# Allegro board Try it by yourself - iMX6Rex module - DIFF Pair activities.brd (continued)
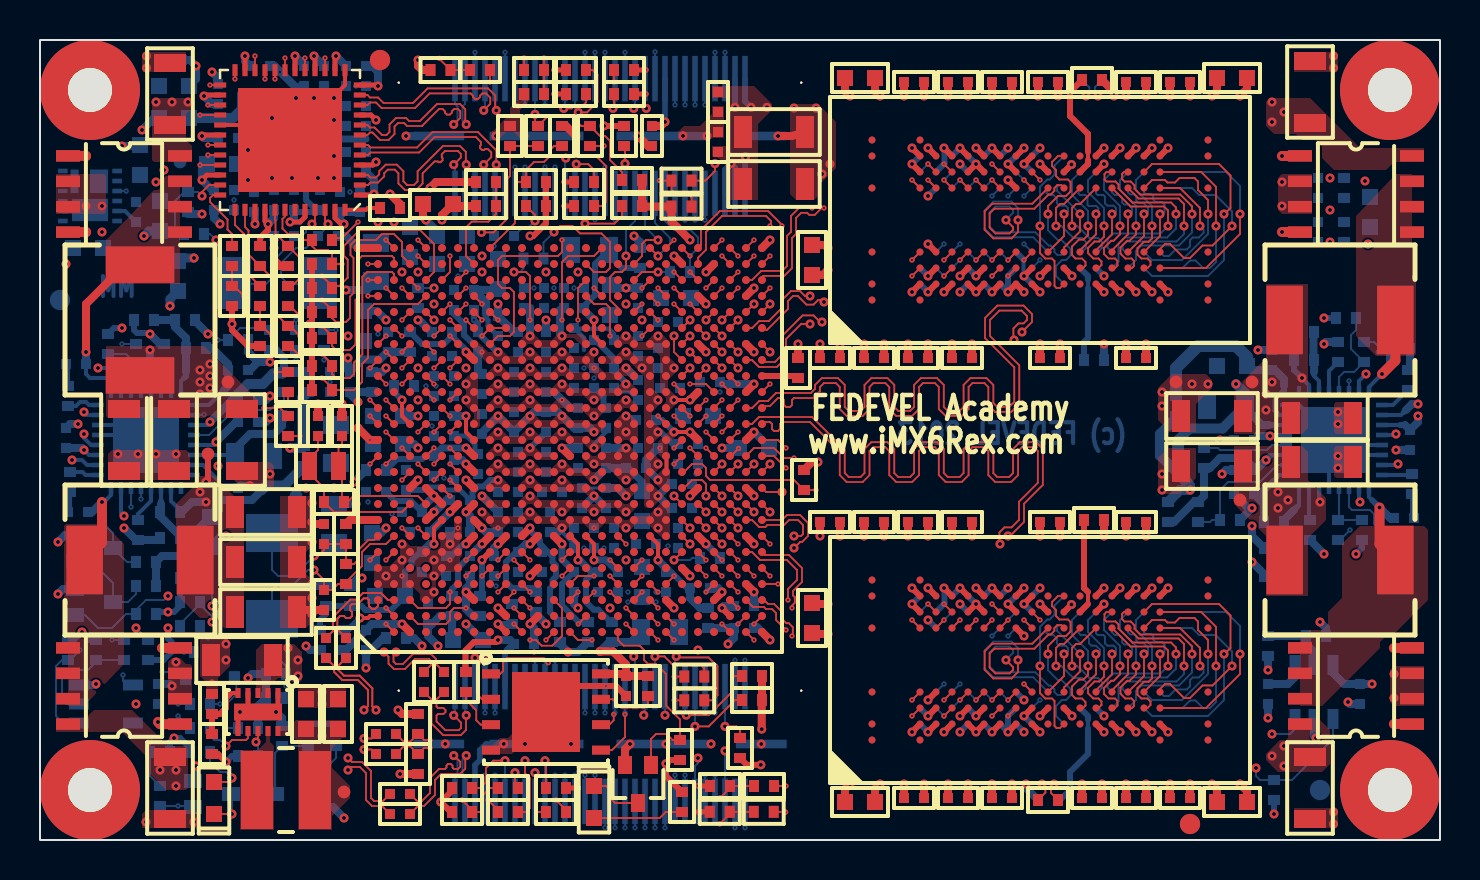
[diagram p0: board, top side]
## Routing (per net, layer and track width the routed paths; a pad name or vN(x,y) marks a point on that pad's centre or on a via; arc(x,y) is an arc through that point) (continued)
  L10 w0.08: v5(25.95,3.64) 26.68,4.37 v4(27.05,4.37)
  L11 w0.1: v6(25.75,3.24) 25.75,3.44 v5(25.95,3.64)
  BOTTOM w0.093: J2.39 v6(25.75,3.24)
PHASE1_2V5: length 6.7
  TOP w0.5: v1(67.1,23.3) 67.77,23.97 L4.2
  BOTTOM w0.2: v1(67.1,23.3) 66.45,22.65 U13.16 ; C230.1 67.4,24.5 67.4,23.6
  BOTTOM w0.4: v1(67.1,23.3) 67.4,23.6 67.5,23.7 C230.1
PHASE1_3V3: length 5.1
  TOP w0.5: v1(3.1,16.9) 3.1,14.87 L1.2
  BOTTOM w0.2: v1(3.1,16.9) 3.2,16.9 3.55,17.25 U11.16
  BOTTOM w0.4: C211.1 2.6,16.4 v1(3.1,16.9)
PHASE2_1V5: length 5.1
  TOP w0.5: L5.1 66.97,14.79 v1(66.97,16.63)
  BOTTOM w0.2: 66.6,17 66.45,17.15 U13.25
  BOTTOM w0.3: 66.6,17 v1(66.97,16.63)
  BOTTOM w0.4: v1(66.97,16.63) 67.5,16.1 C231.2
PHASE2_1V375: length 8.9
  TOP w0.4: L2.1 4.27,28.77 2.3,26.8 v1(2.3,24.4)
  BOTTOM w0.2: C212.2 2.3,23.3 2.5,23.1 3.3,23.1 3.55,22.85 U11.25
  BOTTOM w0.4: C212.2 v1(2.3,24.4)
PMIC_ON_REQ: length 23.7
  TOP w0.093: v2(18.9,18.8) U1.D11
  L2 w0.1: v2(18.9,18.8) v3(19.2,19.1)
  L3 w0.08: v1(6.4,12.2) 6.4,13.6 8.13,15.33 8.45,15.33 9.52,16.4 11.67,16.4 12.5,17.23 12.5,17.7 13.37,18.58 16.02,18.58 16.3,18.3 17.37,18.3 18.07,19 19.1,19 v3(19.2,19.1)
  BOTTOM w0.093: v1(6.4,12.2) 6.2,12 5.3,12 4.8,11.5 R73.1 4.3,11.3 3.6,10.6 2.9,10.6 2.25,11.25 Q8.1
PMIC_STBY_REQ: length 10.2
  TOP w0.093: v2(20.5,18.8) U1.F11
  L2 w0.1: v2(20.5,18.8) v3(20.8,19.1)
  L3 w0.08: v1(13.3,17.6) 13.7,18 15.07,18 15.57,17.5 17.4,17.5 18.12,18.22 18.12,18.32 18.6,18.8 v2(20.5,18.8) v3(20.8,19.1)
  BOTTOM w0.093: v1(13.3,17.6) 13.2,17.6 TP3.1
POK_1V5: length 9
  L10 w0.08: v5(65.2,15.8) 65.45,16.05 v5(65.45,22.55)
  L11 w0.1: v5(65.2,15.8) v6(65.5,15.5) ; v5(65.45,22.55) v6(65.45,22.95)
  BOTTOM w0.093: R164.1 65,15 v6(65.5,15.5) ; U13.14 v6(65.45,22.95)
POK_1V5_R: length 2.8
  BOTTOM w0.093: R154.1 R164.2 64.95,16.05 U13.28
POK_1V375: length 103.2
  L3 w0.08: v4(65.9,31.4) 65.87,31.43 65.87,33.93 62.15,37.65 52.4,37.65 51.7,38.35 38.85,38.35 38.5,38.7 37.25,38.7 35.65,37.1 34,37.1 33.67,37.43 31.12,37.43 30.79,37.1 30.02,37.1 29.82,37.3 29.2,37.3 28.85,36.96 26.01,36.96 25.71,36.65 24.59,36.65 23.64,35.71 21.95,35.71 21.65,35.41 20.37,35.41 20.18,35.6 18.1,35.6 17.92,35.43 16.56,35.43 16.34,35.65 15.16,35.65 14.94,35.43 14.12,35.43 v4(13.8,35.1)
  L10 w0.08: v5(66.6,15.9) 66.6,22.3 65.9,23 65.9,23.6 66.2,23.9 66.2,27.7 66.8,28.3 66.8,30.5 v4(65.9,31.4) ; v4(13.8,35.1) 14.12,35.43 14.12,37.25 13.65,37.73 9.92,37.73 9.2,37 8.9,37 7.74,35.84 7.4,35.84 4.9,33.34 4.9,32.1 4,31.2 4,30 3.3,29.3 3.3,25.87 4.07,25.1 v5(4.4,25.1)
  L11 w0.1: v6(4.1,24.8) v5(4.4,25.1) ; v5(66.6,15.9) v6(66.9,15.6)
  BOTTOM w0.093: U13.27 65.45,16.65 65.6,16.5 66.5,16.5 66.7,16.3 66.7,15.8 v6(66.9,15.6) ; v6(4.1,24.8) R108.1
POK_1V375_R: length 3.1
  BOTTOM w0.093: U11.28 5.05,23.1 4.8,23.35 R108.2 4.3,24.3 R130.1
POK_2V5: length 100.4
  L3 w0.08: v4(12.8,36.1) 13.27,35.63 14.86,35.63 15.13,35.9 16.37,35.9 16.64,35.63 17.84,35.63 18.01,35.8 20.18,35.8 20.53,36.16 21.65,36.16 21.9,35.91 23.5,35.91 24.47,36.88 25.64,36.88 25.92,37.16 28.7,37.16 29.04,37.5 29.9,37.5 30.09,37.32 30.72,37.32 31.15,37.75 33.85,37.75 34.14,37.46 35.61,37.46 37.05,38.9 38.7,38.9 39,38.6 51.9,38.6 52.5,38 62.3,38 66.7,33.6 66.7,32.3 v4(66.4,32)
  L10 w0.08: v5(66.6,24.7) 66.6,27.4 67.4,28.2 67.4,31 v4(66.4,32) ; v4(12.8,36.1) 13.3,36.6 13.3,37.13 12.96,37.48 10.07,37.48 9.3,36.7 9,36.7 7.87,35.57 7.47,35.57 5.2,33.31 5.2,32 4.3,31.1 4.3,29.9 3.6,29.2 3.6,26.3 3.92,25.98 4.26,25.98 4.7,25.53 4.7,23.9 5,23.6 5,22.2 4.3,21.5 4.3,20.1 4.53,19.87 4.53,17.08 v5(4.55,17.05)
  L11 w0.1: v5(66.6,24.7) v6(66.9,24.4) ; v6(4.55,16.65) v5(4.55,17.05)
  BOTTOM w0.093: v6(66.9,24.4) 66.9,24.7 66.7,24.9 R163.1 ; v6(4.55,16.65) U11.14
POK_2V5_R: length 4.9
  BOTTOM w0.093: U13.13 64.95,23.15 65.2,23.4 65.7,23.4 R163.2 65.55,24.55 65.55,25.25 65.8,25.5 R153.1
POK_3V0_SNVS: length 3
  TOP w0.093: v1(9.3,4.7) 9.6,5 10.3,5 10.4,5.1 U12.7
  BOTTOM w0.093: v1(9.3,4.7) 9,5 8.7,5 8.5,5.2 R93.1
POK_3V3: length 107.7
  L3 w0.08: v4(6.8,1.7) 8.3,3.2 8.3,6.2 8.8,6.7 9.68,6.7 10.38,7.4 11.33,7.4 12.17,6.56 12.17,6.34 12.85,5.67 13.37,5.67 13.88,6.17 14.32,6.17 15.02,5.48 16.33,5.48 16.63,5.17 16.63,5 17.89,3.75 19.13,3.75 19.8,4.42 19.8,5 20,5.2 20.5,5.2 20.95,4.75 21.74,4.75 22.9,3.59 23.41,3.59 23.56,3.74 23.94,3.74 24.09,3.59 24.44,3.59 24.59,3.74 24.94,3.74 25.09,3.59 25.41,3.59 25.61,3.79 25.61,3.79 26.7,3.79 26.8,3.69 30.89,3.69 31.14,3.44 32.5,3.44 32.76,3.18 34.4,3.18 34.5,3.08 37.32,3.08 38.22,2.18 53.01,2.18 54.01,3.17 61.07,3.17 61.4,3.5 61.4,3.87 61.22,4.04 61.22,4.93 v1(61.6,5.3)
  L10 w0.08: v5(7.3,1.7) v4(6.8,1.7) 6.3,1.7 5.4,2.6 5.4,4.2 4.8,4.8 4.8,5.6 4.42,5.98 4.42,7.93 v5(4.45,7.95) 3.9,8.5 3.9,10.6 3.5,11 3.5,11.6 2.4,12.7 2.4,18.2 2.9,18.7 2.9,22.39 3.68,23.17 3.68,24 2.4,25.28 2.4,29.88 2.72,30.2 2.72,32.03 3.15,32.45 v5(3.91,32.45)
  L11 w0.1: v6(6.9,1.7) v5(7.3,1.7) ; v5(3.91,32.45) v6(4.31,32.45) ; v6(4.15,8.25) v5(4.45,7.95)
  BOTTOM w0.093: R107.1 v6(6.9,1.7) 7.65,1.7 ; Q1.1 7.65,1.7 ; 7.65,1.7 7.7,1.7 7.75,1.65 ; v6(4.15,8.25) 4.15,7.95 4.3,7.8 U7.4 ; v1(61.6,5.3) 62.5,5.3 62.75,5.55 U6.3 ; U9.9 v6(4.31,32.45)
POK_3V3_R: length 19.3
  L10 w0.08: v5(5.5,4.6) 6.8,5.9 6.8,6.9 6.4,7.3 6,7.3 5.3,8 5.3,8.4 4.7,9 4.7,9.97 5.17,10.44 5.17,11.33 4.7,11.8 4.7,12.8 4.2,13.3 4.2,15 5.05,15.85 v5(5.05,17.45)
  L11 w0.1: v5(5.5,4.6) v6(5.5,5) ; v6(5.05,17.05) v5(5.05,17.45)
  BOTTOM w0.093: R107.2 5.5,3.2 R129.1 v6(5.5,5) ; v6(5.05,17.05) U11.13
POR_BN: length 88.5
  TOP w0.093: v2(18.1,18) U1.C11
  L2 w0.1: v3(17.8,18.3) v2(18.1,18)
  L3 w0.08: v3(17.8,18.3) 17.5,18 16.17,18 15.9,18.28 13.44,18.28 12.75,17.58 12.75,17.1 11.75,16.1 9.6,16.1 8.58,15.08 8.27,15.08 7.02,13.84 7.02,11.2 7.6,10.63 7.6,7.7 8.2,7.1 v4(9.1,7.1) 9.7,7.1 10.3,7.7 11.41,7.7 12.47,6.64 12.47,6.38 12.95,5.9 13.32,5.9 13.79,6.38 14.52,6.38 15.22,5.68 16.41,5.68 16.83,5.26 16.83,5.18 17.96,4.05 19.05,4.05 19.5,4.5 19.5,5.08 19.82,5.4 20.68,5.4 21.08,5 21.88,5 22.5,4.38 26.32,4.38 26.7,3.99 30.89,3.99 31.09,4.19 31.46,4.19 31.85,3.8 32.5,3.8 32.92,3.38 37.4,3.38 38.36,2.43 51.19,2.43 52.37,3.6 v1(60.8,3.6)
  L10 w0.08: v4(9.1,7.1) v5(9.4,6.8)
  L11 w0.1: v6(9,6.8) v5(9.4,6.8)
  BOTTOM w0.093: U6.1 64.65,5.05 62.6,3 R60.1 61,3 60.8,3.2 v1(60.8,3.6) ; D1.1 9.82,8.1 9.82,7.29 9.32,6.8 v6(9,6.8) R70.1
REFIN2_1V5: length 4.7
  BOTTOM w0.2: U13.32 62.95,16.75 62.87,16.68
  BOTTOM w0.3: 62.7,16.5 62.87,16.68
  BOTTOM w0.4: 62.7,16.5 62.2,16 R135.1 R134.1 R158.2
REFIN2_1V375: length 5
  BOTTOM w0.2: U11.32 7.05,22.95 7.2,23.1
  BOTTOM w0.3: 7.3,23.4 7.3,23.2 7.2,23.1
  BOTTOM w0.4: R136.2 R119.1 6.75,25.65 7.3,25.1 R120.2 7.3,23.4
RGMII_INT: length 35
  TOP w0.093: v2(13,25.2) 12.5,25.7 R88.2 11.7,26.4 11.7,28 R89.1 10.42,29.28 10.42,30.48 10.25,30.65 U8.38 ; v2(30.9,27.6) U1.W22
  L2 w0.1: v2(30.9,27.6) v3(31.2,27.3) ; v3(12.6,25.2) v2(13,25.2)
  L3 w0.08: v3(12.6,25.2) 12.7,25.1 14.58,25.1 14.93,24.75 17.42,24.75 17.75,24.42 19.88,24.42 20.07,24.23 20.87,24.23 21.1,24 21.5,24 22.3,23.2 23.4,23.2 23.85,23.65 23.85,25.44 25.05,26.64 25.99,26.64 26.13,26.79 26.81,26.79 27.32,26.28 27.32,25.78 27.5,25.6 28.2,25.6 28.7,25.1 28.7,24.43 29.1,24.03 29.5,24.03 30.52,25.05 30.52,25.36 30.9,25.73 30.9,25.89 31.2,26.19 v3(31.2,27.3)
RGMII_INT_R: length 29.2
  TOP w0.093: R88.1 12.5,24.7 v2(13,24.2) ; U1.V21 v2(30.9,26)
  L2 w0.1: v3(12.7,24.5) v2(13,24.2) ; v2(30.9,26) v3(31.2,25.7)
  L3 w0.08: v3(31.2,25.7) 31.32,25.58 31.32,25.09 30.86,24.63 30.6,24.63 29.72,23.76 29.72,23.49 29.46,23.22 29.07,23.22 28.5,23.8 28.5,25 28.15,25.35 27.45,25.35 27.02,25.78 27.02,26.28 26.72,26.59 26.27,26.59 26.06,26.38 25.07,26.38 24.1,25.4 24.1,23.1 23.4,22.4 22.3,22.4 21.47,23.22 21.14,23.22 20.92,23.44 20.92,23.81 20.75,23.98 19.91,23.98 19.7,24.19 17.61,24.19 17.32,24.48 14.7,24.48 14.4,24.78 13.2,24.78 12.92,24.5 v3(12.7,24.5)
RGMII_MDC: length 26.8
  TOP w0.093: v2(30.1,25.2) U1.V20 ; 9.6,28.8 R85.1 R87.1 9.7,27.7 v2(10.2,27.2)
  L2 w0.1: v3(29.8,25.5) v2(30.1,25.2) ; v2(10.2,27.2) v3(10.5,27.5)
  L3 w0.08: v3(29.8,25.5) 28.9,26.4 28.18,26.4 27.38,27.2 24.87,27.2 23.3,25.63 23.3,25.38 22.42,24.5 22.15,24.5 20.87,25.78 20.54,25.78 20.15,25.39 18.45,25.39 18.28,25.55 18.28,25.7 18,25.99 17.85,25.99 17.46,26.38 17.14,26.38 16.89,26.13 16.41,26.13 16.22,25.94 14.4,25.94 13.91,26.43 13.1,26.43 12.88,26.2 11.8,26.2 v3(10.5,27.5)
RGMII_MDIO: length 29.8
  TOP w0.093: R86.1 11,25.8 ; 11,25.8 v2(11.6,25.2) ; 11,25.8 R162.1 ; v2(30.1,27.6) U1.V23
  L2 w0.1: v2(30.1,27.6) v3(30.4,27.9) ; v2(11.6,25.2) v3(11.9,25.5)
  L3 w0.08: v3(11.9,25.5) 12.3,25.9 12.91,25.9 13.18,26.18 13.82,26.18 14.31,25.68 16.25,25.68 16.44,25.87 16.89,25.87 17.14,25.63 17.52,25.63 17.68,25.79 17.92,25.79 18.08,25.62 18.08,25.46 18.36,25.19 20.25,25.19 20.72,24.72 21.02,24.72 21.08,24.78 21.52,24.78 22.3,24 23.03,24 23.27,24.24 23.27,24.98 23.5,25.2 23.5,25.55 24.95,27 27.23,27 28.2,26.03 28.67,26.03 28.92,25.78 28.92,25.04 29.17,24.8 29.8,24.8 30.2,25.2 30.2,25.48 30.6,25.88 30.6,26.1 30.9,26.4 30.9,27.4 v3(30.4,27.9)
RGMII_R_MDC: length 3.4
  TOP w0.093: R85.2 9.6,30.3 9.37,30.53 9.37,31.03 8.5,31.9 8.5,32.1 8.65,32.25 U8.36
RGMII_R_MDIO: length 4.3
  TOP w0.093: R86.2 10.3,28.4 10.3,28.9 10.2,29 10.2,30.3 9.75,30.75 U8.37
RGMII_R_RXCLK: length 4.8
  TOP w0.093: v1(8.1,32.2) 8.1,32.4 8.45,32.75 U8.35
  BOTTOM w0.093: R83.2 7.1,30.3 6.75,30.65 6.75,31.95 7.2,32.4 R101.2 7.9,32.4 v1(8.1,32.2)
RGMII_R_TXCLK: length 1.6
  TOP w0.093: U1.D21 v1(19.7,26)
  BOTTOM w0.093: v1(19.7,26) 19.1,26.6 R35.1
RGMII_RSTN: length 38.4
  TOP w0.093: U8.42 12.25,31.18 12.12,31.06 12.12,30.57 12.4,30.3 12.9,30.3 13.2,30 R65.2 13.6,29.7 13.8,29.5 14.4,29.5 14.6,29.3 R75.1 v2(15.1,28.8)
  L2 w0.1: v3(14.7,28.8) v2(15.1,28.8)
  L3 w0.08: v4(10.3,30.1) 11.73,30.1 12.93,28.9 14.6,28.9 v3(14.7,28.8)
  L10 w0.08: v5(5.7,8.4) 5,9.1 5,9.99 5.4,10.39 5.4,11.5 5,11.9 5,13 4.6,13.4 4.6,14.9 5.4,15.7 5.4,19.4 4.6,20.2 4.6,21.3 5.25,21.95 5.25,23.75 5.1,23.9 5.1,25.5 6.12,26.53 6.12,26.86 6.47,27.2 7.4,27.2 v4(10.3,30.1)
  L11 w0.1: v5(5.7,8.4) v6(6.1,8.4)
  BOTTOM w0.093: v6(6.1,8.4) 6.6,8.4 6.9,8.1 D1.2
RGMII_RSTN_R: length 28.2
  TOP w0.093: R65.1 14.6,30.1 15.1,30.1 v2(15.9,30.9) ; U1.U21 v2(30.1,26.8)
  L2 w0.1: v3(29.8,26.5) v2(30.1,26.8) ; v2(15.9,30.9) v3(16.3,30.9)
  L3 w0.08: v4(30.37,33.28) 30,32.91 30,32.36 27.65,30.02 26.89,30.02 26.13,30.78 25.2,30.78 25,30.57 22.74,30.57 22.56,30.76 21.85,30.76 21.47,30.38 19.85,30.38 19.6,30.63 18.86,30.63 18.39,31.1 18.06,31.1 17.88,31.28 16.67,31.28 v3(16.3,30.9) ; v4(30.3,26.7) 30.1,26.5 v3(29.8,26.5)
  L10 w0.08: v4(30.3,26.7) 30.3,27.33 30.47,27.5 30.47,29.31 30.74,29.57 31.07,29.57 31.27,29.78 31.27,31.38 30.37,32.28 v4(30.37,33.28)
RGMII_RXCLK: length 22.7
  TOP w0.093: U1.B25 v2(17.3,30)
  L2 w0.1: v2(17.3,30) v3(17.6,29.7)
  L3 w0.08: v1(8.8,30) 8.8,30.07 9.43,30.7 9.67,30.7 9.85,30.52 9.85,30.28 9.2,29.63 9.2,29.39 9.38,29.21 9.62,29.21 9.91,29.5 10.15,29.5 10.33,29.32 10.33,29.08 10.2,28.95 10.2,28.71 10.38,28.53 10.62,28.53 11.3,29.2 11.54,29.2 11.71,29.03 11.71,28.79 11.33,28.4 11.33,28.16 11.51,27.98 11.75,27.98 12.17,28.4 14.75,28.4 14.9,28.25 14.9,28.05 15.05,27.9 15.3,27.9 15.65,28.25 15.85,28.25 16,28.1 16,27.74 16.13,27.6 17,27.6 17.2,27.4 17.2,27.1 17.45,26.85 18.42,26.85 18.58,27.02 19.01,27.02 19.2,27.2 19.2,27.8 19,28 18.7,28 18.47,28.23 18.47,28.56 17.6,29.43 v3(17.6,29.7)
  BOTTOM w0.093: v1(8.8,30) 8.5,30.3 R83.1
RGMII_RXD0: length 27.4
  TOP w0.093: U1.C24 18.1,29.2 18.1,29.9 17.7,30.3 17.1,30.3 16.8,30 15.77,30 15.52,29.76 15.52,29.25 15.67,29.1 15.67,27.34 15.5,27.17 15.5,26.1 15.3,25.9 14.8,25.9 14.6,26.1 R98.1 14.6,26.5 v2(14.1,27) ; v2(8.4,34.25) U8.32
  L2 w0.1: v2(14.1,27) v3(14.4,26.7) ; v2(8.4,34.25) v3(8.8,34.25)
  L3 w0.08: v3(14.4,26.7) 14.41,26.72 14.71,26.72 14.92,26.93 14.92,27.4 14.72,27.6 14.45,27.6 14.3,27.45 14.3,27.3 14.15,27.15 13.9,27.15 13.75,27.3 13.75,27.55 13.6,27.7 13.35,27.7 13.2,27.55 13.2,27.3 13.05,27.15 12.7,27.15 12.45,26.9 11.7,26.9 10.7,27.9 9.76,27.9 7.9,29.76 7.9,30.9 7.72,31.08 7.72,31.53 8,31.8 8.4,31.8 8.57,31.98 8.57,34.03 v3(8.8,34.25)
RGMII_RXD1: length 27.4
  TOP w0.093: v2(14.1,24.3) 14.6,23.8 R97.1 14.6,23.3 14.8,23.1 15.5,23.1 15.7,23.3 15.7,23.87 16.11,24.28 16.11,28.16 16.36,28.4 17.6,28.4 17.7,28.3 U1.B23 ; v2(8.4,34.75) U8.31
  L2 w0.1: v2(8.4,34.75) v3(8.7,35.05) ; v2(14.1,24.3) v3(14.4,24)
  L3 w0.08: v3(8.7,35.05) 8,34.35 8,33.75 7.55,33.3 7.3,33.3 7.1,33.1 7.1,30.72 7.22,30.6 7.22,28.98 7.5,28.7 8.2,28.7 11.22,25.68 11.22,25.3 11.6,24.92 11.88,24.92 12.8,24 v3(14.4,24)
RGMII_RXD2: length 27.4
  TOP w0.093: U1.B24 17.7,29.1 17.6,29.2 16.1,29.2 15.88,28.98 15.88,27.1 15.77,27 15.77,24.78 15.5,24.5 14.8,24.5 14.6,24.7 R96.1 14.6,25.2 v2(14.1,25.7) ; v2(8,36.25) U8.28
  L2 w0.1: v2(8,36.25) v3(8.4,36.25) ; v2(14.1,25.7) v3(14.4,25.4)
  L3 w0.08: v3(8.4,36.25) 8.4,35.8 9,35.2 9,34.9 8.3,34.2 8.3,33.76 7.64,33.1 7.64,31.86 7.47,31.7 7.47,29.86 11.5,25.83 11.5,25.5 11.78,25.22 12.21,25.22 12.48,25.49 13.21,25.49 13.3,25.4 v3(14.4,25.4)
RGMII_RXD3: length 28.5
  TOP w0.093: v2(8.4,36.75) U8.27 ; 14.65,27.65 14.7,27.7 14.97,27.7 15.38,28.12 15.38,29.02 15.2,29.2 15.2,29.71 15.99,30.5 19,30.5 19.7,29.8 19.7,28.4 U1.D23 ; 14.65,27.65 R95.1 14.6,27.7 v2(14.1,28.2) ; 14.65,27.65 14.7,27.6
  L2 w0.1: v2(8.4,36.75) v3(8.8,36.75) ; v2(14.1,28.2) v3(14.4,27.9)
  L3 w0.08: v3(14.4,27.9) 14.3,28 12.7,28 12.5,27.8 12.5,27.4 12.3,27.2 11.8,27.2 10.8,28.2 9.8,28.2 8.2,29.8 8.2,30.83 8.57,31.2 9,31.2 9.2,31.4 9.2,31.78 8.87,32.1 8.87,32.3 9.1,32.53 9.1,32.7 8.87,32.93 8.87,33.08 9.1,33.3 9.1,33.5 8.87,33.73 8.87,33.89 9.08,34.1 9.08,34.66 9.22,34.8 9.22,35.3 8.7,35.83 8.7,36.4 8.8,36.5 v3(8.8,36.75)
RGMII_RXDV: length 27.5
  TOP w0.093: U1.D22 18.9,26.8 16.7,26.8 16.4,26.5 16.4,24.1 16.1,23.8 16.1,22.9 15.7,22.5 14.7,22.5 ; v2(8,33.75) U8.33 ; 14.7,22.5 v2(14.1,23.1) ; 14.7,22.5 R91.1
  L2 w0.1: v3(13.8,23.4) v2(14.1,23.1) ; v3(7.6,33.75) v2(8,33.75)
  L3 w0.08: v3(13.8,23.4) 13.5,23.7 13.3,23.7 13.1,23.5 12.9,23.5 11.7,24.7 11.43,24.7 10.93,25.2 10.93,25.57 8.1,28.4 7.47,28.4 6.97,28.9 6.97,30.49 6.7,30.76 6.7,34.1 6.9,34.3 7.4,34.3 7.6,34.1 v3(7.6,33.75)
RGMII_TXCLK: length 19.7
  TOP w0.093: v2(9.75,38.05) U8.24
  L2 w0.1: v2(9.75,38.05) v3(10.15,38.05)
  L3 w0.08: v3(10.15,38.05) 10.1,38 10.1,37.4 10.5,37 10.5,36.74 10.15,36.39 10.15,36.13 10.8,35.48 10.8,35.2 11.22,34.78 11.22,32.57 12.24,31.56 13.37,31.56 14.02,30.91 14.02,30.6 14.2,30.43 14.47,30.43 14.88,30.02 16.08,30.02 16.3,29.8 17.18,29.8 17.4,30.02 17.98,30.02 18.3,29.7 18.3,29.5 18.2,29.4 18.2,29.2 18.3,29.1 18.5,29.1 18.6,29.2 18.8,29.2 19.2,28.8 19.2,28.71 19.7,28.21 v1(19.7,27.6)
  BOTTOM w0.093: R35.2 v1(19.7,27.6)
RGMII_TXD0: length 21.2
  TOP w0.093: U8.19 v2(12.25,39.1) ; v2(18.1,27.6) U1.C22
  L2 w0.1: v3(12.25,38.7) v2(12.25,39.1) ; v2(18.1,27.6) v3(18.4,27.9)
  L3 w0.08: v3(18.4,27.9) 18.07,27.9 17.57,28.4 17.57,28.93 17.1,29.4 16.4,29.4 16.22,29.22 15.74,29.22 15.17,29.8 14.07,29.8 13.17,30.7 13.17,30.93 12.82,31.28 11.92,31.28 10.8,32.4 10.8,34.7 10.27,35.22 10.27,35.53 9.7,36.1 9.7,38.2 10.01,38.52 10.87,38.52 11.25,38.9 12.05,38.9 v3(12.25,38.7)
RGMII_TXD1: length 21.2
  TOP w0.093: v2(20.5,26) U1.F20 ; v2(11.75,38.05) U8.20
  L2 w0.1: v3(20.3,26.4) 20.3,26.2 v2(20.5,26) ; v2(11.75,38.05) v3(11.75,38.45)
  L3 w0.08: v3(11.75,38.45) 11.85,38.45 12.1,38.2 12.1,37.68 11.9,37.48 11.37,37.48 11.2,37.3 11.2,35.97 11.8,35.37 11.8,34.2 12.22,33.78 12.22,32.84 12.87,32.2 13.9,32.2 14.9,31.2 15.33,31.2 16.01,30.53 18.37,30.53 19.2,29.7 19.61,29.7 20.27,29.04 20.27,27.43 20.5,27.2 20.5,26.6 v3(20.3,26.4)
RGMII_TXD2: length 21.3
  TOP w0.093: v2(11.25,38.05) U8.21 ; U1.E21 v2(20.5,26.8)
  L2 w0.1: v2(11.25,38.05) v3(11.25,38.45) ; v3(20.2,27.1) v2(20.5,26.8)
  L3 w0.08: v3(11.25,38.45) 11.3,38.45 11.65,38.1 11.65,37.86 11.47,37.68 11.23,37.68 11.01,37.9 10.77,37.9 10.59,37.72 10.59,37.48 10.95,37.12 10.95,35.89 11.55,35.29 11.55,34.1 11.97,33.68 11.97,32.63 12.65,31.95 13.78,31.95 14.77,30.96 14.77,30.69 15.17,30.3 18.2,30.3 19,29.5 19.53,29.5 20.07,28.96 20.07,27.22 v3(20.2,27.1)
RGMII_TXD3: length 21.2
  TOP w0.093: v2(16.4,28.8) U1.A24 ; U8.22 v2(10.75,39.2)
  L2 w0.1: v3(10.75,38.8) v2(10.75,39.2) ; v2(16.4,28.8) v3(16.8,28.8)
  L3 w0.08: v3(16.8,28.8) 16.6,28.6 15.6,28.6 14.9,29.3 13.58,29.3 12.86,30.03 12.48,30.03 12.08,30.43 10.57,30.43 9.75,31.25 9.75,35.35 9.2,35.9 9.2,37.2 9,37.4 8.65,37.4 8.22,37.83 8.22,38.63 8.42,38.83 8.9,38.83 9.12,38.6 9.3,38.6 9.5,38.8 v3(10.75,38.8)
RGMII_TXEN: length 21.2
  TOP w0.093: U1.C23 v2(18.9,27.6) ; v2(8.5,37.75) U8.25
  L2 w0.1: v3(18.6,27.3) v2(18.9,27.6) ; v2(8.5,37.75) v3(8.9,37.75)
  L3 w0.08: v3(8.9,37.75) 8.9,38.1 9.05,38.25 9.3,38.25 9.45,38.1 9.45,35.98 10.02,35.4 10.02,34.1 10.3,33.83 10.3,33.48 10.02,33.2 10.02,32.7 10.3,32.43 10.3,32.08 10.02,31.8 10.02,31.48 10.3,31.2 11.53,31.2 11.96,30.77 12.1,30.77 12.44,30.43 13.02,30.43 13.9,29.55 15.07,29.55 15.72,28.9 16.3,28.9 16.5,29.1 17,29.1 17.2,28.9 17.2,28 17.5,27.7 18.2,27.7 18.6,27.3 v3(18.6,27.3)
RSTINN: length 70.8
  L3 w0.08: v4(17.6,36.2) 19.1,36.2 19.48,36.58 21.72,36.58 22,36.86 23.78,36.86 24.24,37.32 25.52,37.32 25.76,37.56 28.4,37.56 29.55,38.7 30.5,38.7 30.86,38.34 31.43,38.34 31.64,38.54 v4(33.75,38.54)
  L10 w0.08: v4(17.6,36.2) 17.4,36.2 16.5,37.1 16.5,38 15.75,38.75 9.55,38.75 8.82,38.03 7.12,38.03 6.22,37.13 6.22,35.99 5.31,35.09 5.01,35.09 4.23,34.3 3.8,34.3 1.6,32.1 1.6,29.93 1.8,29.73 1.8,24.23 2.13,23.9 2.13,22.57 1.5,21.94 1.5,19.67 1.97,19.19 1.97,18.74 1.8,18.57 1.8,12.1 2.7,11.2 2.7,10.2 v5(1.7,9.2) ; v4(33.75,38.54) v5(33.75,38.98)
  L11 w0.1: v5(1.7,9.2) v6(2,9.5) ; v5(33.75,38.98) v6(33.75,39.38)
  BOTTOM w0.093: v6(2,9.5) 1.5,9 R68.1 1.1,9 0.8,8.7 0.8,6.2 1.1,5.9 1.9,5.9 U7.1 ; J1.8 v6(33.75,39.38)
RSTOUTN: length 79.2
  TOP w0.093: v1(33.75,33.82) 33.75,33.45 33.27,32.97 R51.2
  L3 w0.08: v1(33.75,33.82) 32.99,34.58 31.11,34.58 30.87,34.35 30.87,33.98 30.55,33.66 30.15,33.66 29.7,33.2 29.7,32.35 27.57,30.22 26.97,30.22 26.16,31.03 25.21,31.03 24.91,31.33 24.59,31.33 24.22,30.95 21.65,30.95 21.5,30.8 20.47,30.8 20.3,30.63 19.94,30.63 19.72,30.84 19.72,31.11 19.46,31.38 18.1,31.38 17.97,31.5 16.62,31.5 16.52,31.4 16,31.4 15.9,31.5 15.6,31.5 15.3,31.8 14.9,31.8 v4(14.5,32.2)
  L10 w0.08: v5(6.5,6.8) 6,6.8 5,7.8 5,8.3 4.42,8.88 4.42,11.08 4.1,11.4 4.1,12.3 3.5,12.9 3.5,19.8 3.7,20 3.7,21.9 4.5,22.7 4.5,23.33 4.1,23.74 4.1,24.07 2.7,25.47 2.7,29.47 3.47,30.24 3.47,31.48 4.3,32.3 4.3,33.6 5.3,34.6 5.5,34.6 7.3,36.4 7.53,36.4 7.82,36.7 7.82,37.36 8.04,37.57 9.07,37.57 9.72,38.23 14.95,38.23 15.2,37.98 15.7,37.48 15.88,37.3 15.88,36.79 15.59,36.5 14.67,36.5 14.32,36.16 14.32,34.04 15.1,33.27 15.1,32.8 v4(14.5,32.2)
  L11 w0.1: v5(6.5,6.8) v6(6.9,6.8)
  BOTTOM w0.093: v6(6.9,6.8) R70.2 ; J1.7 v1(33.75,33.82)
RSTOUTN_R: length 19.3
  TOP w0.093: U1.H19 22.9,25.2 23.5,25.2 23.7,25.4 23.7,27.4 23.5,27.6 23.1,27.6 22.9,27.8 22.9,29 23.1,29.2 25.9,29.2 26.1,29.4 v2(26.1,30) ; v2(30.97,32.97) R51.1 31.57,32.51 31.75,32.33 32.37,32.33 32.57,32.13 R49.1
  L2 w0.1: v2(30.97,32.97) v3(30.97,33.37) ; v2(26.1,30) v3(26.5,30)
  L3 w0.08: v3(26.5,30) 26.7,29.8 27.72,29.8 30.97,33.06 v3(30.97,33.37)
RTC_XTALI: length 7.9
  TOP w0.093: C85.1 15.1,19.8 14.92,19.63 Y2.1 15.1,18.52 15.1,17 R54.1 15.37,16.9 15.67,17.2 18.9,17.2 U1.D9
RTC_XTALO: length 8.4
  TOP w0.093: U1.C9 18.1,16.4 14.7,16.4 R54.2 14.2,17.6 13.47,18.33 Y2.2 13.47,19.08 13.9,19.5 C86.1
SATA_C_RX_N: length 19.7
  TOP w0.09: v1(17.2,9.4) 17.2,9.39 17.42,9.17 17.42,8.82 17.69,8.55 18.25,8.55 18.75,9.05 19.45,9.05 19.55,8.95 19.55,8.75 C69.1 ; v2(16.5,21.2) U1.A14
  L2 w0.1: v2(16.5,21.2) v3(16.8,20.9)
  L3 w0.085: v3(16.8,20.9) v4(17.1,20.6)
  L10 w0.085: v4(17.1,20.6) 17.17,20.6 17.37,20.4 17.37,20.23 17.69,19.92 18.7,19.92 18.75,19.97 19.3,19.97 19.6,19.67 19.6,18.02 17.92,16.34 17.92,15.7 17.45,15.23 17.45,13.73 17.67,13.52 17.67,13.05 17.45,12.83 17.45,10.6 17.35,10.49 17.35,9.6 17.2,9.45 v1(17.2,9.4)
SATA_C_RX_P: length 19.7
  TOP w0.09: v2(17.3,21.2) U1.B14 ; v1(17.8,9.4) 17.67,9.28 17.67,8.92 17.8,8.8 18.15,8.8 18.65,9.3 19.55,9.3 19.8,9.05 19.8,8.8 C70.1
  L2 w0.1: v2(17.3,21.2) v3(17.6,20.9)
  L3 w0.085: v3(17.6,20.9) v4(17.9,20.6)
  L10 w0.085: v4(17.9,20.6) 17.8,20.6 17.65,20.45 17.65,20.35 17.8,20.2 18.58,20.2 18.63,20.25 19.42,20.25 19.88,19.78 19.88,17.9 18.2,16.22 18.2,15.58 17.73,15.12 17.73,13.85 17.95,13.63 17.95,12.93 17.73,12.72 17.73,10.48 17.63,10.38 17.63,9.63 17.8,9.45 v1(17.8,9.4)
SATA_C_TX_N: length 25.7
  TOP w0.09: C71.1 17.1,1.7 16.6,1.7 16.3,2 16.3,3.35 16,3.65 15.55,3.65 v1(15.4,3.5) ; v4(17.3,18.8) U1.B12
  L2 w0.1: v4(17.3,18.8) v3(17.6,19.1)
  L3 w0.085: v4(17.3,18.8) v3(17.6,19.1)
  L10 w0.085: v4(17.3,18.8) 17.06,18.8 16.96,18.9 16.96,19.16 17.1,19.3 17.5,19.3 18.2,18.6 18.2,18.1 17.9,17.8 17.8,17.8 17.59,18.01 17.45,18.01 17.34,17.9 17.34,17.76 17.55,17.55 17.55,17.45 17,16.9 17,16.22 16.47,15.68 16.47,12.77 16.37,12.67 16.37,9.58 15.42,8.64 15.42,8.42 14.47,7.46 14.47,3.76 14.73,3.5 v1(15.4,3.5)
SATA_C_TX_P: length 25.7
  TOP w0.09: v4(16.5,18.8) U1.A12 ; C72.1 17.15,1.95 16.7,1.95 16.55,2.1 16.55,3.45 16.1,3.9 15.61,3.9 15.41,4.1 v1(15.4,4.1)
  L2 w0.1: v4(16.5,18.8) v3(16.8,19.1)
  L3 w0.085: v4(16.5,18.8) v3(16.8,19.1)
  L10 w0.085: v4(16.5,18.8) 16.68,18.98 16.68,19.28 16.98,19.58 17.62,19.58 18.48,18.72 18.48,17.98 17.28,16.78 17.28,16.1 16.75,15.57 16.75,12.65 16.65,12.55 16.65,9.47 15.7,8.52 15.7,8.3 14.75,7.35 14.75,4.85 14.8,4.8 14.9,4.8 15,4.7 15,4.6 14.9,4.5 14.8,4.5 14.75,4.45 14.75,3.88 14.85,3.78 15.03,3.78 15.35,4.1 v1(15.4,4.1)
SATA_REXT: length 2.2
  TOP w0.2: v1(18.1,22) 18.1,21.2 U1.C14
  BOTTOM w0.3: R20.2 17.7,22.4 v1(18.1,22)
SATA_RX_N: length 6
  TOP w0.09: C69.2 19.57,7.03 19.57,5.82 20.16,5.24 21.04,5.24 21.3,5.5 21.3,6.22 v1(21.31,6.23)
  BOTTOM w0.09: v1(21.31,6.23) 21.25,6.3 J2.58
SATA_RX_P: length 6
  TOP w0.09: v1(20.69,6.23) 21.05,5.87 21.05,5.6 20.94,5.49 20.26,5.49 19.82,5.93 19.82,6.23 19.9,6.3 20.17,6.3 20.27,6.4 20.27,6.5 20.17,6.6 19.9,6.6 19.82,6.68 19.82,7.03 C70.2
  BOTTOM w0.09: v1(20.69,6.23) 20.75,6.3 J2.60
SATA_TX_N: length 7.2
  TOP w0.09: C71.2 18.9,1.7 19.2,1.7 19.75,2.25 19.75,3 20.05,3.3 21,3.3 21.26,3.56 21.26,4.17 v1(21.31,4.22)
  BOTTOM w0.09: J2.57 21.25,3.2 21.12,3.33 21.12,4.03 v1(21.31,4.22)
SATA_TX_P: length 7.3
  TOP w0.09: 20.7,4.22 21.01,3.91 21.01,3.67 20.9,3.55 20.7,3.55 20.62,3.63 20.62,3.73 20.55,3.8 20.4,3.8 20.32,3.73 20.32,3.63 20.25,3.55 19.95,3.55 19.5,3.1 19.5,2.35 19.1,1.95 18.85,1.95 C72.2 ; 20.7,4.22 v1(20.69,4.22) ; 20.7,4.22 20.7,4.22
  BOTTOM w0.09: v1(20.69,4.22) 20.87,4.03 20.87,3.33 20.75,3.2 J2.59
SD2_ACT: length 19.9
  TOP w0.093: v2(28.5,12.4) U1.T3
  L2 w0.1: v2(28.5,12.4) v3(28.8,12.7)
  L3 w0.08: v3(28.8,12.7) 28.8,13 29.15,13.35 30.75,13.35 31.27,12.83 31.27,11.99 30.91,11.63 30.91,9.69 31.44,9.16 31.44,8.86 31.6,8.69 32.42,8.69 32.67,8.44 32.67,8.19 35,5.86 35,4 34.7,3.7 33.3,3.7 v1(32.9,4.1)
  BOTTOM w0.093: v1(32.9,4.1) 32.9,3.85 32.75,3.7 J2.11
SD2_CD: length 42.1
  TOP w0.093: v4(20.5,22) U1.F16
  L2 w0.1: v4(20.5,22) v3(20.8,22.3)
  L3 w0.08: v4(25.97,5.59) 25.61,5.95 22.6,5.95 21.8,6.75 19.33,6.75 18.51,5.93 17.66,5.93 17.32,6.26 17.32,6.51 16.76,7.08 16.27,7.08 14.75,8.6 12.77,8.6 12.3,8.13 v6(12.3,7.7) ; v4(20.5,22) v3(20.8,22.3)
  L10 w0.08: v6(12.3,7.7) v5(12.3,8.1) 12.3,8.93 12.77,9.41 12.77,9.71 13.14,10.08 13.37,10.08 14.2,10.9 14.2,13.02 14.3,13.12 14.3,14.7 14.2,14.8 14.2,16.35 14.4,16.55 14.4,17.37 14.32,17.44 14.32,17.9 15.02,18.59 15.02,20.53 15.79,21.3 16.11,21.3 16.47,21.66 16.47,22.18 16.9,22.6 19.16,22.6 19.53,22.22 20.27,22.22 v4(20.5,22) ; v5(26.25,5.97) 26.25,5.87 v4(25.97,5.59)
  L11 w0.1: 26.25,6.37 v6(26.25,6.36) v5(26.25,5.97) ; v6(12.3,7.7) v5(12.3,8.1)
  BOTTOM w0.093: R42.1 v6(12.3,7.7) ; v6(26.25,6.36) J2.38
SD2_CLK: length 49
  L3 w0.08: v4(10.5,12.9) 10.5,13.3 11.2,14 12.1,14 12.25,13.85 12.25,13.6 12.1,13.45 11.4,13.45 11,13.05 11,12.1 11.15,11.95 11.4,11.95 11.55,12.1 11.55,12.85 11.7,13 11.95,13 12.1,12.85 12.1,12.1 12.25,11.95 12.5,11.95 12.65,12.1 12.65,12.85 12.8,13 13.05,13 13.2,12.85 13.2,11.97 13.44,11.73 13.77,11.73 14.02,11.97 14.02,13.15 14.17,13.3 14.42,13.3 14.57,13.15 14.57,12.17 14.72,12.02 14.97,12.02 15.12,12.17 15.12,13.15 15.27,13.3 15.52,13.3 15.67,13.15 15.67,11.44 15.5,11.28 15.5,11 16.4,10.1 20.2,10.1 21.57,8.73 22.27,8.73 23.36,7.64 25.24,7.64 25.34,7.74 25.34,7.97 25.49,8.12 25.74,8.12 25.89,7.97 25.89,7.64 26.04,7.49 26.55,7.49 v4(26.75,7.3)
  L10 w0.08: v5(12.8,24.4) 12.95,24.25 12.95,23.78 12.5,23.33 12.12,23.33 11.88,23.08 11.88,20.18 11.7,20 11.7,19.7 10.7,18.7 10.7,18.1 10.87,17.93 10.87,17.56 10.7,17.38 10.7,13.1 v4(10.5,12.9) ; v5(26.75,6.76) v4(26.75,7.3)
  L11 w0.1: v6(12.8,24) v5(12.8,24.4) ; v6(26.75,6.36) v5(26.75,6.76)
  BOTTOM w0.093: v6(12.8,24) R66.2 ; J2.36 v6(26.75,6.36)
SD2_CLK_R: length 8.1
  TOP w0.093: v2(18.1,26) U1.C21
  L2 w0.1: v2(18.1,26) v3(18.4,26.3)
  L3 w0.08: v3(18.4,26.3) v4(18.7,26.6)
  L10 w0.08: v5(13.1,26.3) 14.57,26.3 14.7,26.43 18.52,26.43 v4(18.7,26.6)
  L11 w0.1: v6(12.8,26) v5(13.1,26.3)
  BOTTOM w0.093: R66.1 v6(12.8,26)
